# KiCad board pcb.kicad_pcb (continued)
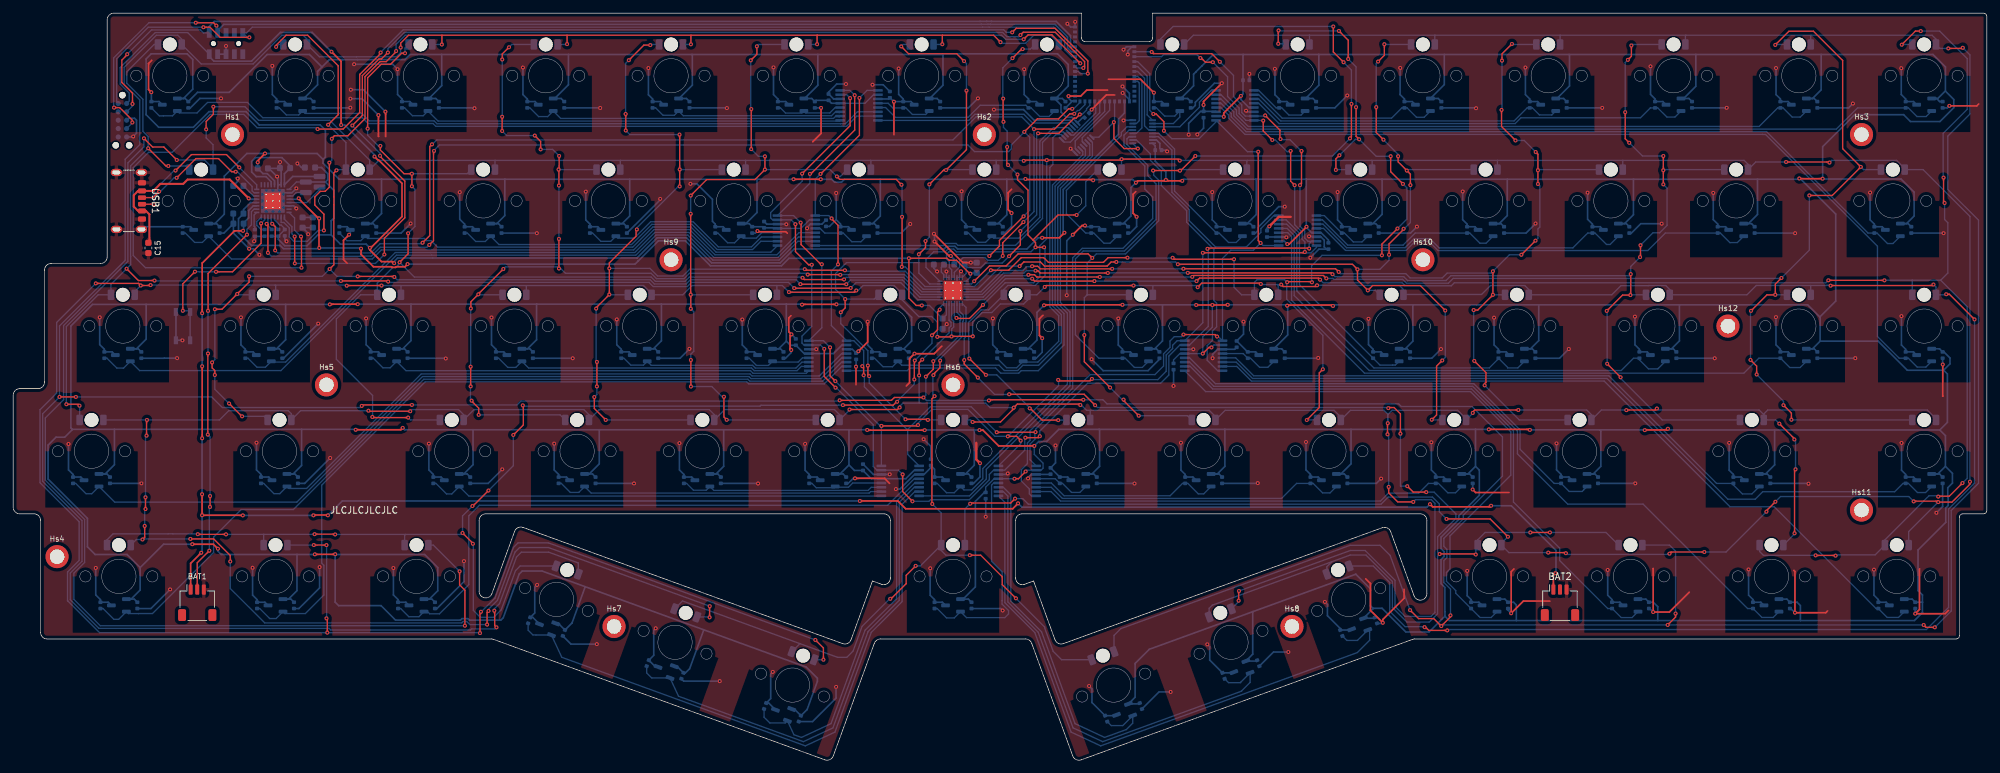
[diagram p0: board, top side]
## Routing (per net, layer and track width the routed paths; a pad name or vN(x,y) marks a point on that pad's centre or on a via; arc(x,y) is an arc through that point) (continued)
/CS0: length 168.8
  Top w0.2: v1(166.32,56.52) 162.41,60.43 v1(162.41,64.49) ; v1(168.36,54.69) 168.42,54.63 168.42,54.48 v1(170.66,52.24) ; v1(202.91,99.58) 202.91,94.56 v1(202.69,94.34) ; v1(172.84,89.46) 176.89,89.46 v1(176.91,89.44) 177.01,89.44 v1(179.24,91.67) ; v1(163.62,76.18) 162.99,76.81 152.38,76.81 150.55,74.98 148.03,74.98 v1(145.71,72.66) ; v1(200.16,111.33) 200.16,107.46 v1(201.72,105.9)
  Bottom w0.2: v1(170.66,52.24) 178.06,52.24 D53.1 ; v1(168.36,54.69) 168.15,54.69 v1(166.32,56.52) ; v1(162.41,64.49) 162.41,70.16 162.84,70.59 ; v1(200.16,111.33) 175.88,111.33 173.95,109.4 D9.1 ; v1(202.69,94.34) 200.02,91.67 v1(179.24,91.67) ; D38.1 162.85,70.6 162.84,70.59 ; v1(145.71,72.66) 145.3,72.25 LEDDR1.2 ; D24.1 177.07,89.6 v1(176.91,89.44) ; 162.84,70.59 162.84,75.41 164.23,76.8 168.65,76.8 173.68,81.83 173.68,88.01 172.93,88.76 172.93,89.37 v1(172.84,89.46) ; v1(201.72,105.9) 202.91,104.71 v1(202.91,99.58)
/CS1: length 163.6
  Top w0.2: v1(185.11,76) 176.02,76 v1(175.8,76.22) ; v1(207.53,76.59) 207.53,78.3 v1(209.9,80.66) ; v1(204.08,94.2) 203.61,94.67 v1(203.61,99.09) ; v1(198.58,59.29) 198.03,58.74 198.03,53.48 v1(196.14,51.59) ; v1(191.86,110.73) 191.81,110.68 v1(191.81,108.7) ; v1(193.16,72.5) 193.26,72.59 196.83,72.59 v1(196.93,72.49) ; v1(202.42,106.39) 202.42,109.25 v1(201.01,110.66) ; v1(208.86,91.63) 208.86,89.29 v1(210.72,87.43) ; v1(201.09,91.78) 200.55,91.24 v1(200.55,89.55) ; v1(168.95,76.23) 166.02,76.23 165.32,75.53 156.96,75.53 156.26,76.23 152.84,76.23 150.94,74.33 v1(148.24,74.33)
  Bottom w0.2: v1(201.09,91.78) 203.51,94.2 v1(204.08,94.2) 206.65,91.63 v1(208.86,91.63) ; v1(200.55,89.55) 200.6,89.6 D25.1 ; D54.1 196.15,51.6 v1(196.14,51.59) ; v1(210.72,87.43) 211.33,86.82 211.33,82.1 v1(209.9,80.66) ; v1(168.95,76.23) 169.01,76.17 175.75,76.17 v1(175.8,76.22) ; LEDDR1.3 145.76,71.85 v1(148.24,74.33) ; v1(198.58,59.29) 198.58,64.44 193.1,69.92 193.1,72.44 v1(193.16,72.5) 192.78,72.89 188.61,72.89 188.2,72.48 D39.1 186.25,70.6 185.11,71.74 v1(185.11,76) ; v1(201.01,110.66) 191.93,110.66 v1(191.86,110.73) ; v1(202.42,106.39) 203.61,105.2 v1(203.61,99.09) ; v1(196.93,72.49) 196.87,72.55 196.87,75 198.46,76.59 v1(207.53,76.59) ; v1(191.81,108.7) 192.85,108.7 D10.1
/CS2: length 157.1
  Top w0.2: v1(215.09,51.63) 215.82,52.36 215.82,59.77 v1(216.68,60.63) ; v1(210.82,80.62) 210.82,80.53 208.61,78.32 v1(208.61,76.67) ; v1(176.59,75.23) 203.06,75.23 v1(203.83,74.46) 203.83,72.84 v1(205.4,71.27) 206.13,72 213.35,72 v1(217.14,68.21) ; v1(209.99,91.64) 209.99,90.78 v1(211.31,89.46) 211.85,88.92 v1(211.85,87.25) ; v1(152.6,74.95) 153.23,75.58 155.75,75.58 156.37,74.96 165.86,74.96 166.48,75.58 v1(167.26,75.58) ; v1(206.95,106) 207.9,106.95 v1(207.9,108.64) ; v1(206.67,99.09) 206.67,95.24 v1(207.77,94.14)
  Bottom w0.2: v1(211.31,89.46) 211.45,89.6 D26.1 ; v1(207.9,108.64) 207.94,108.6 D11.1 ; D40.1 206.53,71.27 v1(205.4,71.27) ; v1(215.09,51.63) 215.12,51.6 D55.1 ; v1(206.95,106) 206.67,105.72 v1(206.67,99.09) ; v1(167.26,75.58) 176.24,75.58 v1(176.59,75.23) ; v1(217.14,68.21) 217.14,61.09 v1(216.68,60.63) ; v1(208.61,76.67) 208.61,75.85 207.22,74.46 v1(203.83,74.46) ; LEDDR1.4 146.25,71.45 149.75,74.95 v1(152.6,74.95) ; v1(209.99,91.64) 209.99,91.92 v1(207.77,94.14) ; v1(211.85,87.25) 211.85,81.56 210.91,80.62 v1(210.82,80.62)
/CS3: length 174.4
  Top w0.2: v1(223.11,56.85) 223.11,57.13 223.31,57.33 223.31,58.78 v1(221.53,60.56) ; v1(231.19,87.42) v1(231.19,89.51) 231.19,91.94 v1(230.85,92.28) ; v1(200.98,74.07) 200.5,74.55 v1(177.43,74.55) ; v1(227.79,94.03) 225.67,96.15 v1(225.67,98.67) ; v1(230.82,78.82) v1(228.68,76.67) ; v1(166.63,74.54) 155.73,74.54 155.34,74.93 v1(154.49,74.93) ; v1(227.25,108.68) 225.74,107.17 v1(225.74,106.14) ; v1(221.44,68.28) 222.06,68.28 v1(224.37,70.59) 224.37,74.16 v1(224.36,74.17)
  Bottom w0.2: v1(221.53,60.56) 221.44,60.65 v1(221.44,68.28) ; v1(154.49,74.93) 154.42,74.86 153.65,74.86 153.09,74.3 150,74.3 146.75,71.05 LEDDR1.5 ; D41.1 224.38,70.6 v1(224.37,70.59) ; v1(225.67,98.67) 225.74,98.74 v1(225.74,106.14) ; D12.1 227.33,108.6 v1(227.25,108.68) ; D27.1 231.28,89.6 v1(231.19,89.51) ; v1(230.82,78.82) 231.19,79.19 231.19,80.59 231.48,80.88 231.48,87.13 v1(231.19,87.42) ; D56.1 228.36,51.6 v1(223.11,56.85) ; v1(228.68,76.67) 226.87,76.67 v1(224.36,74.17) 224.08,73.89 217.42,73.89 216.69,73.16 211.8,73.16 211.16,73.8 201.25,73.8 v1(200.98,74.07) ; v1(227.79,94.03) 229.1,94.03 v1(230.85,92.28) ; v1(177.43,74.55) 177.42,74.54 v1(166.63,74.54)
/CS4: length 201.7
  Top w0.2: v1(241.68,60.13) 243.72,58.09 v1(243.72,58.08) ; v1(246.68,76.32) 246.74,76.38 v1(246.74,78.12) ; v1(155.01,74.26) 155.37,74.26 155.72,73.91 v1(165.98,73.91) ; v1(250.2,87.36) v1(250.2,89.51) v1(250.2,91.67) ; v1(245.36,108.45) 245.36,106.8 v1(244.82,106.26) ; v1(200.04,73.72) 199.83,73.93 v1(178.1,73.93) ; v1(244.42,98.32) 244.42,94.29 v1(245.04,93.67) ; v1(245.26,73.74) 245.26,70.6 v1(245.21,70.55) 244.02,70.55 v1(241.62,68.15)
  Bottom w0.2: v1(200.04,73.72) 200.41,73.35 210.84,73.35 211.43,72.76 217.25,72.76 217.98,73.49 245.01,73.49 v1(245.26,73.74) 245.26,74.9 v1(246.68,76.32) ; v1(250.2,89.51) 250.29,89.6 D28.1 ; v1(244.82,106.26) 244.42,105.86 v1(244.42,98.32) ; v1(245.04,93.67) 247.04,91.67 v1(250.2,91.67) ; D13.1 245.51,108.6 v1(245.36,108.45) ; D42.1 245.26,70.6 v1(245.21,70.55) ; v1(165.98,73.91) 166,73.93 v1(178.1,73.93) ; LEDDR1.6 146.91,70.65 150.16,73.9 153.25,73.9 153.61,74.26 v1(155.01,74.26) ; v1(241.68,60.13) 241.68,68.09 v1(241.62,68.15) ; v1(250.2,87.36) 250.77,86.79 250.77,81.13 249.65,80.01 248.63,80.01 v1(246.74,78.12) ; D57.1 250.04,51.6 243.72,57.92 v1(243.72,58.08)
/CS5: length 232.1
  Top w0.2: v1(268.42,53.84) 269.62,52.64 v1(269.62,51.63) ; v1(178.78,73.32) 178.99,73.53 198.67,73.53 v1(199.11,73.09) ; v1(267.17,108.53) 269.24,110.6 272.97,110.6 277.39,106.18 277.39,92.77 v1(280.15,90.01) 275.82,85.68 v1(272.34,85.68) ; v1(164.76,73.3) 155.2,73.3 154.86,73.64 v1(153.93,73.64) ; v1(263.49,68.16) 265.92,70.59 v1(267.18,70.59) 267.18,72.22 v1(268.11,73.15) ; v1(264.35,58.5) 264.35,59.78 v1(263.42,60.71)
  Bottom w0.2: v1(164.76,73.3) 178.76,73.3 v1(178.78,73.32) ; v1(268.42,53.84) 268.42,54.43 v1(264.35,58.5) ; D29.1 280.56,89.6 v1(280.15,90.01) ; v1(267.18,70.59) 267.19,70.6 D43.1 ; v1(272.34,85.68) 272.34,77.38 v1(268.11,73.15) 268.05,73.09 218.34,73.09 217.61,72.36 211.26,72.36 210.67,72.95 200.24,72.95 200.1,73.09 v1(199.11,73.09) ; LEDDR1.7 147.08,70.25 150.33,73.5 153.79,73.5 v1(153.93,73.64) ; v1(263.42,60.71) 263.42,68.09 v1(263.49,68.16) ; v1(269.62,51.63) 269.65,51.6 D58.1 ; D14.1 267.24,108.6 v1(267.17,108.53)
/CS6: length 272.4
  Top w0.2: v1(292.69,88.39) 292.69,84.69 v1(292.85,84.53) ; v1(295.56,42.02) 293.56,40.02 291.94,40.02 v1(291.88,39.96) ; v1(289.24,110.63) 288.42,110.63 v1(286.35,108.56) ; v1(275.22,72.8) 275.23,72.79 v1(283.73,72.79) ; v1(179.42,72.67) 179.88,73.13 197.92,73.13 v1(198.16,72.89) ; v1(276.32,31) 276.28,31.04 v1(273.29,31.04) ; v1(163.94,72.68) 154.86,72.68 v1(154.5,73.04)
  Bottom w0.2: D44.1 287.95,72.8 287.94,72.81 ; v1(289.24,110.63) 292.1,110.63 296.28,106.45 296.28,98.75 292.63,95.11 292.63,88.45 v1(292.69,88.39) ; LEDDR1.8 147.26,69.85 150.45,73.04 v1(154.5,73.04) ; v1(163.94,72.68) 163.95,72.67 v1(179.42,72.67) ; 292.25,72.81 293.34,73.9 293.34,81.53 292.85,82.02 v1(292.85,84.53) ; 292.25,72.81 296.28,68.78 296.28,42.73 v1(295.56,42.02) ; 292.25,72.81 287.94,72.81 ; v1(283.73,72.79) 283.75,72.81 287.94,72.81 ; v1(198.16,72.89) 198.63,72.42 210.61,72.42 211.07,71.96 218.05,71.96 218.51,72.42 274.84,72.42 v1(275.22,72.8) ; v1(286.35,108.56) 286.39,108.6 D15.1 ; D71.1 264.8,31.63 265.38,31.05 273.28,31.05 v1(273.29,31.04) ; v1(276.32,31) 276.44,31.12 282.32,31.12 D72.1 283.8,33.4 290.49,40.09 291.75,40.09 v1(291.88,39.96)
/CS7: length 193.8
  Top w0.2: v1(208.5,53.39) 208.59,53.48 209.38,53.48 210.34,52.52 v1(210.34,49.51) ; v1(144.2,60.69) 144.2,60.09 v1(146.27,58.02) ; v1(151.01,55.5) 162.38,55.5 v1(164.05,53.83) ; v1(214.25,40.64) 212.28,40.64 v1(211.37,41.55) ; v1(216.28,31.24) 216.3,31.25 221.68,31.25 v1(221.77,31.17) ; v1(230.03,34.52) 233,34.52 v1(233.01,34.52)
  Bottom w0.2: v1(214.25,40.64) 215.45,40.64 218.75,37.34 218.75,36.65 215.98,33.88 215.98,31.54 v1(216.28,31.24) 215.97,30.93 215.97,22.17 214.72,20.92 211.32,20.92 209.12,23.12 209.12,27.08 205.11,31.09 202.72,31.09 199.95,30.08 ; v1(208.5,53.39) 208.41,53.48 164.4,53.48 v1(164.05,53.83) ; 199.95,30.08 199.18,29.31 D68.1 ; 199.95,30.08 181.81,23.48 181.33,23 D67.1 ; v1(230.03,34.52) 223.17,34.52 222.05,33.4 D69.1 221.77,32.32 v1(221.77,31.17) ; v1(144.2,60.69) 144.2,63.99 144.38,64.17 144.38,66.38 144.47,66.48 144.47,68.69 LEDDR1.9 ; v1(233.01,34.52) 241.5,34.52 243.43,32.6 ; v1(210.34,49.51) 210.34,41.58 210.37,41.55 v1(211.37,41.55) ; v1(151.01,55.5) 150.99,55.48 148.81,55.48 v1(146.27,58.02)
/CS8: length 125
  Top w0.2: v1(139.52,58.39) 139.52,58.52 140.51,59.51 140.51,60.56 v1(140.55,60.6) ; v1(139.71,55.21) 139.3,54.8 139.3,38.9 v1(139.36,38.84) ; v1(136.84,29.45) 135.4,28.01 135.4,26.75 133.09,24.44 v1(132.98,24.44) ; v1(145.05,31.07) 146.69,31.07 149.96,27.8 149.96,26.6 v1(152.04,24.52)
  Bottom w0.2: v1(145.05,31.07) 141.43,31.07 140.7,31.8 D65.1 ; LEDDR1.10 143.5,68.08 144.07,67.51 144.07,66.64 143.96,66.53 143.96,64.32 140.55,60.91 v1(140.55,60.6) ; D64.1 118.08,16.43 119.29,17.63 ; v1(152.04,24.52) 156.4,20.16 156.4,20.01 157.69,16.47 158.96,15.19 D66.1 ; 119.29,17.63 125,15.56 126.4,15.56 127.35,16.51 128.71,20.26 132.89,24.44 v1(132.98,24.44) ; 119.29,17.63 101.48,24.12 100.29,22.92 D63.1 ; v1(139.71,55.21) 139.45,55.46 139.45,58.32 v1(139.52,58.39) ; v1(139.36,38.84) 140.7,37.5 D65.1 ; v1(136.84,29.45) 137.55,29.45 D65.1
/CS9: length 187.1
  Top w0.2: v1(72.07,40.89) 69.71,38.53 v1(69.63,38.53) ; v1(48.82,34.22) 48.78,34.26 v1(45.69,34.26) ; v1(32.27,34.23) 28.02,34.23 v1(27.99,34.25) ; v1(125.81,53.85) 133.44,53.85 133.95,54.36 v1(134.03,54.36) ; v1(140.48,68.34) 140.16,68.01 140.16,65.3 v1(139.31,64.45) ; v1(77.26,53.82) 77.35,53.73 77.35,50.84 v1(75.83,49.32) ; v1(68.13,34.44) 69.7,32.87 v1(69.7,32.8) ; v1(136.7,60.63) 136.63,60.56 v1(136.63,57.74)
  Bottom w0.2: 38,34.23 v1(32.27,34.23) ; 38,34.23 37.98,34.2 D60.1 ; 38,34.23 45.66,34.23 v1(45.69,34.26) ; v1(136.7,60.63) 139.31,63.24 v1(139.31,64.45) ; LEDDR1.16 140.48,68.64 v1(140.48,68.34) ; v1(134.03,54.36) 134.03,54.44 136.63,57.04 v1(136.63,57.74) ; v1(27.99,34.25) 27.94,34.31 24.22,34.31 24.21,34.32 23.5,34.32 23.49,34.31 15.13,34.31 14.22,33.4 D59.1 ; v1(72.07,40.89) 75.83,44.65 v1(75.83,49.32) ; D62.1 76.87,29.42 76.17,28.73 74,22.78 72.86,21.64 70.82,21.64 69.77,22.69 69.77,32.73 v1(69.7,32.8) ; D61.1 59.35,34.08 59.49,34.22 ; v1(77.26,53.82) 77.39,53.69 88.39,53.69 88.4,53.7 113.26,53.7 113.39,53.83 125.13,53.83 125.15,53.85 v1(125.81,53.85) ; 59.49,34.22 v1(48.82,34.22) ; 59.49,34.22 67.91,34.22 v1(68.13,34.44) 68.13,37.03 v1(69.63,38.53)
/CS10: length 202.9
  Top w0.2: v1(126.99,71.64) 126.94,71.59 118.44,71.59 v1(118.42,71.61) ; v1(8.06,53.98) 9.84,53.98 v1(10.06,53.76) ; v1(21.43,72.76) 18.99,72.76 v1(17.19,74.55) ; v1(20.47,92.84) 23.16,90.15 v1(23.52,90.15) ; v1(49.69,72.7) 56.75,72.7 v1(56.85,72.6)
  Bottom w0.2: v1(56.85,72.6) 56.97,72.48 96.41,72.48 97.04,71.85 102.21,71.85 102.84,72.48 117.55,72.48 v1(118.42,71.61) ; v1(10.06,53.76) 10.07,53.74 D45.1 ; D1.1 21.37,108.6 17.22,104.45 17.22,102.71 19.67,100.27 19.67,95.41 20.47,94.61 v1(20.47,92.84) 17.8,90.17 17.8,76.39 17.81,76.38 17.81,75.17 v1(17.19,74.55) 14.82,72.19 D30.1 12.88,70.6 8.06,65.77 v1(8.06,53.98) ; LEDDR1.17 137.16,69.85 134.57,72.44 127.79,72.44 v1(126.99,71.64) ; v1(49.69,72.7) 21.49,72.7 v1(21.43,72.76) ; D16.1 26.15,90.15 v1(23.52,90.15)
/CS11: length 188.4
  Top w0.2: v1(34.71,52.15) 34.68,52.15 v1(32.73,54.1) ; v1(57.79,73.3) 57.7,73.39 v1(52.23,73.39) ; v1(49.02,89.5) 48.62,89.1 48.62,85.45 48.63,85.45 48.63,84.24 48.62,84.24 48.62,75.15 v1(47.98,74.51) ; v1(47.75,96.41) 49.28,97.93 49.28,105.37 44.65,110 41.38,110 39.87,108.48 v1(39.87,108.23) ; v1(30.58,68.41) 31.65,68.41 v1(33.96,70.72) 35.77,72.53 v1(35.77,73.4) ; v1(119.36,72.22) 119.38,72.2 v1(126.32,72.2) ; v1(30.57,58.42) 30.57,59.1 30.16,59.5 v1(30.16,60.34)
  Bottom w0.2: v1(52.23,73.39) 49.1,73.39 v1(47.98,74.51) 46.87,73.4 v1(35.77,73.4) ; v1(32.73,54.1) 30.57,56.26 v1(30.57,58.42) ; v1(126.32,72.2) 126.96,72.84 134.84,72.84 137.43,70.25 LEDDR1.18 ; v1(47.75,96.41) 50.45,93.71 D17.1 49.12,89.6 v1(49.02,89.5) ; D31.1 34.08,70.6 v1(33.96,70.72) ; v1(57.79,73.3) 58.21,72.88 96.58,72.88 97.21,72.25 102.05,72.25 102.68,72.88 118.7,72.88 v1(119.36,72.22) ; v1(34.71,52.15) 38.02,52.15 D46.1 ; v1(30.58,68.41) 30.58,60.75 v1(30.16,60.34) ; v1(39.87,108.23) 40.23,108.6 D2.1
/CS12: length 177.6
  Top w0.2: v1(125.98,72.93) 125.96,72.91 119.95,72.91 v1(119.68,73.17) ; v1(54.45,52.05) 54.54,51.96 v1(59.89,51.96) ; v1(53.74,95.82) 53.74,103.54 55.79,105.59 57.22,105.59 58.9,107.27 v1(59.41,107.27) ; v1(59.88,79.94) 59.88,76.82 v1(58.59,75.53) ; v1(60.45,87.07) v1(60.45,88.98) 59.26,88.98 55.67,92.57 v1(55.67,93.2)
  Bottom w0.2: v1(53.74,95.82) 53.74,94.81 55.36,93.2 v1(55.67,93.2) ; LEDDR1.19 137.6,70.65 135.01,73.24 126.29,73.24 v1(125.98,72.93) ; v1(60.45,87.07) 60.91,86.61 60.91,80.97 v1(59.88,79.94) ; D18.1 68.83,88.98 v1(60.45,88.98) ; v1(119.68,73.17) 119.57,73.29 102.52,73.29 101.88,72.65 97.37,72.65 96.73,73.29 60.83,73.29 v1(58.59,75.53) 58.41,75.53 58.41,75.13 58.03,74.75 57.57,74.75 55.2,72.38 D32.1 52.67,70.6 49,66.93 49,60.81 54.49,55.32 54.49,52.09 v1(54.45,52.05) ; D3.1 59.41,108.06 v1(59.41,107.27) ; D47.1 60.25,51.6 v1(59.89,51.96)
/CS13: length 161.4
  Top w0.2: v1(69.36,59.69) v1(69.36,56.69) ; v1(74.14,95.46) v1(74.14,97.63) ; v1(82.78,91.68) 82.78,89.68 82.72,89.62 v1(82.69,89.62) 82.75,89.56 v1(82.75,87.18) ; v1(120.47,73.67) 120.48,73.66 125.37,73.66 v1(125.41,73.62) ; v1(82.75,79.08) v1(82.75,74.58) ; v1(74.15,106.32) 74.15,107.15 v1(75.18,108.18) ; v1(70.58,52.37) 70.58,53.39 69.5,54.46 v1(69.5,54.53) ; v1(69.39,68.52) 69.39,69.53 v1(70.53,70.67) 70.53,70.72 v1(74.32,74.51) ; v1(79.97,92.67) 79.97,93.88 v1(79.08,94.77)
  Bottom w0.2: v1(69.5,54.53) 69.33,54.7 69.33,56.66 v1(69.36,56.69) ; v1(79.97,92.67) 81.79,92.67 v1(82.78,91.68) ; LEDDR1.20 137.78,71.05 135.17,73.66 125.45,73.66 v1(125.41,73.62) ; v1(70.53,70.67) 70.6,70.6 D33.1 ; v1(82.75,79.08) v1(82.75,87.18) ; v1(75.18,108.18) 75.6,108.6 D4.1 ; v1(79.08,94.77) 74.83,94.77 v1(74.14,95.46) ; v1(74.14,97.63) 74.15,97.64 v1(74.15,106.32) ; D19.1 82.71,89.6 v1(82.69,89.62) ; v1(74.32,74.51) 74.64,74.83 82.5,74.83 v1(82.75,74.58) 83.02,74.58 83.73,73.86 96.72,73.86 97.54,73.05 101.72,73.05 102.53,73.86 120.27,73.86 v1(120.47,73.67) ; D48.1 82.93,52.37 v1(70.58,52.37) ; v1(69.39,68.52) 69.36,68.49 v1(69.36,59.69)
/CS14: length 148.6
  Top w0.2: v1(120.02,74.49) 120.19,74.32 v1(126.11,74.32) ; v1(88.11,55.07) 88.11,53.34 v1(89.85,51.6) ; v1(88.5,56.68) 88.5,60.4 v1(88.51,60.41) ; v1(92.88,95.54) 92.88,98.03 v1(92.86,98.05) ; v1(96.6,108.5) 95.63,108.5 v1(93.34,106.21) ; v1(101.03,94.92) 101.06,94.89 v1(101.06,89.63) v1(101.06,87.05) ; 88.47,68.71 v1(90.39,70.63) 90.39,75.44 94.44,79.49 94.44,80.39 v1(94.56,80.51)
  Bottom w0.2: v1(101.06,89.63) 101.09,89.6 D20.1 ; v1(92.86,98.05) 92.86,105.73 v1(93.34,106.21) ; v1(126.11,74.32) 126.25,74.18 135.24,74.18 137.97,71.45 LEDDR1.21 ; D34.1 90.42,70.6 v1(90.39,70.63) ; D5.1 96.7,108.6 v1(96.6,108.5) ; v1(101.06,87.05) 100.85,87.05 94.56,80.76 v1(94.56,80.51) ; v1(120.02,74.49) 102.59,74.49 101.55,73.45 97.7,73.45 96.54,74.61 v1(90.39,74.61) ; v1(88.5,56.68) 88.5,55.46 v1(88.11,55.07) ; v1(88.39,68.49) 88.39,60.53 v1(88.51,60.41) ; v1(92.88,95.54) 93.5,94.92 v1(101.03,94.92) ; D49.1 v1(89.85,51.6)
/CS15: length 142.8
  Top w0.2: v1(113.98,91.62) v1(113.98,89.6) 112.47,88.09 105.15,88.09 v1(102.72,85.66) ; v1(111.91,98.8) 111.91,92.72 v1(111.9,92.71) ; v1(124.89,88.56) 125.32,88.13 133.86,88.13 v1(134.69,87.3) ; v1(102.75,60.7) 102.75,56.68 v1(102.76,56.67) ; v1(102.72,82.9) v1(102.72,70.61) 102.74,70.6 v1(102.74,68.48) ; v1(112.76,108.32) 112.76,107.12 v1(111.83,106.19) ; v1(108.19,51.62) 107.77,52.04 v1(107.77,55.12) ; v1(134.78,82.42) 134.78,74.87 v1(134.73,74.83)
  Bottom w0.2: D35.1 102.74,70.6 v1(102.72,70.61) ; v1(102.75,60.7) 102.74,60.71 102.74,61.57 103.19,62.02 103.19,68.03 v1(102.74,68.48) ; LEDDR1.22 138.25,71.85 135.27,74.83 v1(134.73,74.83) ; v1(107.77,55.12) 107.65,55 107.6,55 105.93,56.67 v1(102.76,56.67) ; D50.1 108.21,51.6 v1(108.19,51.62) ; v1(134.78,82.42) 134.78,87.21 v1(134.69,87.3) ; v1(111.9,92.71) 112.99,91.62 v1(113.98,91.62) ; v1(102.72,85.66) v1(102.72,82.9) ; v1(113.98,89.6) 123.85,89.6 v1(124.89,88.56) 125.41,88.56 D21.1 ; D6.1 113.04,108.6 v1(112.76,108.32) ; v1(111.83,106.19) 111.83,98.88 v1(111.91,98.8)
/CS16: length 106.5
  Top w0.2: v1(137.32,76.75) 138.33,77.76 v1(138.33,78.76) ; v1(144.54,101.6) 144.54,92.63 v1(141.44,89.53) 141.08,89.53 v1(138.91,87.36) ; v1(144.18,106.07) 143.05,107.19 135.75,107.19 v1(134.64,108.31) ; v1(126.15,69.95) 126.15,68.61 v1(125.48,67.94) ; v1(129.59,59.85) 129.59,58.45 v1(129.79,58.25) ; v1(138.7,51.6) 138.6,51.7 v1(135.29,51.7)
  Bottom w0.2: 137.32,75.47 v1(137.32,76.75) ; 137.32,75.47 137.31,75.48 126.35,75.48 124.69,73.82 124.69,71.41 v1(126.15,69.95) 130.55,69.95 D36.1 ; 137.32,75.47 137.32,73.88 138.95,72.25 LEDDR1.23 ; v1(141.44,89.53) 141.51,89.6 D22.1 ; v1(129.59,59.85) 129.59,62.11 125.48,66.22 v1(125.48,67.94) ; v1(138.33,78.76) 138.91,79.34 v1(138.91,87.36) ; v1(129.79,58.25) 129.79,57.2 v1(135.29,51.7) ; D7.1 134.93,108.6 v1(134.64,108.31) ; v1(144.54,101.6) 144.54,105.71 v1(144.18,106.07) ; D51.1 v1(138.7,51.6)
/CS17: length 118.9
  Top w0.2: v1(161.24,82.71) 158.42,82.71 154.63,78.92 ; v1(150.71,93.04) 150.66,92.99 150.66,90.48 v1(150.85,90.29) ; v1(147.49,58.44) 147.45,58.44 v1(144.97,60.92) ; v1(150.15,96.86) 150.09,96.92 150.09,100.36 v1(150.11,100.38) ; v1(153.06,107.9) 152.9,107.9 v1(151.52,106.52) ; v1(156.31,77.81) 155.02,77.81 v1(155.01,77.82) 155.01,78.54 154.63,78.92 ; 154.63,78.92 153.87,79.68 153.87,86.48 152.28,88.07 v1(152.28,88.86) ; v1(158.45,51.57) 156.01,51.57 154.22,53.36 v1(154.13,53.36)
  Bottom w0.2: v1(150.71,93.04) 150.71,95.45 150.15,96.01 v1(150.15,96.86) ; D23.1 162.63,87.77 162.63,84.09 v1(161.24,82.71) ; v1(150.11,100.38) 150.05,100.44 150.05,105.05 v1(151.52,106.52) ; v1(144.97,60.92) 144.87,61.02 144.87,66.41 146.76,68.3 147.9,68.3 D37.1 150.2,71.4 150.82,72.02 154.98,72.02 156.45,73.49 156.45,77.67 v1(156.31,77.81) ; v1(155.01,77.82) 154.31,77.12 143.02,77.12 142.6,77.54 141.74,77.54 141.32,77.12 139.57,77.12 138.4,75.95 138.4,74.76 LEDDR1.24 ; v1(153.06,107.9) 154.25,107.9 D8.1 ; v1(154.13,53.36) 154.13,53.45 149.14,58.44 v1(147.49,58.44) ; v1(158.45,51.57) 159.67,51.57 D52.1 ; v1(150.85,90.29) v1(152.28,88.86)
/GPIO_X: length 153.5
  Top w0.2: v1(48.31,94.28) 48.31,94.34 48.71,94.74 50.75,94.74 53.34,97.33 53.34,103.7 55.62,105.99 56.55,105.99 58.06,107.5 v1(58.06,107.6) ; v1(161.8,105.74) 157.48,110.06 153.89,110.06 v1(153.22,109.38) ; v1(47.11,80.37) 47.11,82.84 45.72,84.22 45.72,85.45 46.57,86.3 47.3,86.3 47.94,86.94 47.94,90.54
  Bottom w0.2: M1.8 161.54,106 v1(161.8,105.74) ; PMIC1.10 40.62,81.58 41.04,81.58 41.86,80.75 41.86,79.39 42.54,78.71 44.59,78.71 46.25,80.37 v1(47.11,80.37) ; v1(153.22,109.38) 150.5,109.38 150.5,109.38 149.88,110 59.44,110 58.06,108.62 v1(58.06,107.6) ; v1(47.94,90.66) 48.31,91.03 v1(48.31,94.28)
/INT: length 214
  Top w0.2: v1(43.64,79.44) 43.71,79.36 v1(43.71,74.71) ; v1(46.15,95.76) 50.03,95.76 52.54,98.27 52.54,104.05 55.71,107.22 v1(55.71,107.37) ; v1(151.47,110.44) 152.08,111.05 158,111.05 162.94,106.11 v1(162.94,104.18)
  Bottom w0.2: M1.10 161.5,104.5 161.82,104.18 v1(162.94,104.18) ; v1(43.64,79.44) 42.66,80.41 42.66,82.26 PMIC1.8 ; v1(43.71,74.71) 20.05,74.71 18.2,76.56 18.2,89.9 20.54,92.23 24.12,92.23 29.87,97.98 34.96,97.98 36.98,95.96 45.95,95.96 v1(46.15,95.76) ; v1(151.47,110.44) 150.57,110.44 150.19,110.82 59.13,110.82 55.71,107.4 v1(55.71,107.37)
/LED_DR_EN: length 40.8
  Top w0.2: v1(152.71,80.27) 152.71,78.17 v1(151,76.46) ; v1(155.4,95.11) 158.54,95.11 160.85,97.42 161.17,97.42 v1(161.73,97.98)
  Bottom w0.2: v1(152.71,80.27) 155.18,82.74 155.18,94.89 v1(155.4,95.11) ; LEDDR1.32 144.49,73.83 144.49,74.97 C29.1 144.74,74.72 146.71,74.72 147.39,75.41 149.95,75.41 v1(151,76.46) ; M1.19 163.25,99.35 162.75,98.85 162.75,98.65 162.08,97.98 v1(161.73,97.98)
/LOADSW_CTRL: length 171.6
  Top w0.2: v1(56.28,76.72) 56.28,79.18 59.38,82.28 59.38,87.86 55.62,91.62 v1(55.62,91.7) ; v1(42.7,75.36) 42.68,75.38 v1(42.68,79.44) ; v1(162.26,105.02) 162.45,105.21 162.45,106 158,110.46 153.15,110.46 v1(152.72,110.03) ; v1(56.82,107.37) 55.83,106.39 55.46,106.39 52.94,103.87 52.94,97.81 v1(51.42,96.3)
  Bottom w0.2: PMIC1.9 41.12,82.05 42.26,80.92 42.26,79.86 v1(42.68,79.44) ; v1(162.26,105.02) 161.23,105.02 M1.9 ; v1(51.42,96.3) 51.42,96.27 55.62,92.08 v1(55.62,91.7) ; 42.67,75.39 v1(42.7,75.36) 54.92,75.36 v1(56.28,76.72) ; v1(152.72,110.03) 152.47,109.78 150.66,109.78 150.02,110.42 59.3,110.42 56.82,107.94 v1(56.82,107.37)
/MUX_B_1: length 30.8
  Bottom w0.2: MUXA1.14 159.99,96.67 154.57,96.67 153.24,98 145.81,98 144.89,97.07 MUXB1.8
/MUX_B_2: length 52.4
  Bottom w0.2: MUXA1.11 159.22,95.32 157.66,95.32 156.07,93.73 156.07,82.19 151.99,78.11 143.24,78.11 142.96,78.39 141.38,78.39 141.07,78.07 MUXB2.8
/MUX_B_3: length 68
  Bottom w0.2: MUXB3.8 135.55,59.07 135.96,59.48 148.96,59.48 149.74,58.7 152.46,58.7 152.84,59.07 155.43,59.07 159.33,62.97 159.33,67.75 157.98,69.1 157.98,87.09 162.58,91.68 162.58,92.67 MUXA1.5
/MUX_B_4: length 70.8
  Bottom w0.2: MUXA1.2 163.64,93.73 163.64,91.61 158.78,86.75 158.78,69.44 160.24,67.98 160.24,56.79 147.55,44.1 147.55,42.62 145,40.07 MUXB4.8
/MUX_B_5: length 12.4
  Bottom w0.2: MUXB5.8 181.65,101.62 179.86,99.83 179.86,99.07 176.89,96.1 MUXA2.11
/MUX_B_6: length 33.1
  Bottom w0.2: MUXB6.8 191.15,82.62 189.19,80.66 189.19,80.08 186.97,77.87 182.3,77.87 178.32,81.85 178.32,83.52 175.69,86.16 175.69,92.55 173.65,94.6 MUXA2.14
/MUX_B_7: length 42.6
  Bottom w0.2: MUXA2.2 170.31,94.1 172.43,91.98 172.43,91 174.08,89.35 174.08,87.2 177.92,83.36 177.92,81.61 182.05,77.49 182.05,69.73 182.47,69.31 182.47,65.73 181.84,65.1 181.84,63.67 181.04,62.87 181.04,60.66 182.63,59.07 MUXB7.8
/MUX_B_8: length 71.4
  Bottom w0.2: MUXA2.5 169.19,95.6 168.42,94.82 168.42,93.3 171.58,90.14 171.58,86.64 172.78,85.45 172.78,82.16 168.26,77.65 162.09,77.65 160.64,76.19 160.64,56.41 154.18,49.95 154.18,48.49 153.78,48.09 153.78,44.96 152.86,44.04 152.86,42.33 154.07,41.11 154.07,40.37 154.38,40.07 MUXB8.8
/MUXA_SEL: length 15.4
  Top w0.2: v1(166.89,96.81) 166.89,94.35 168.45,92.79 v1(170.53,92.79)
  Bottom w0.2: M1.24 167,96.92 v1(166.89,96.81) 164.61,94.52 MUXA1.1 ; v1(170.53,92.79) 169.75,93.57 MUXA2.1
/MUXB_SEL_0: length 203.6
  Top w0.2: v1(189.14,78.46) 188.78,78.82 v1(188.78,92.32) ; v1(128.95,58.38) 128.95,58.38 128.95,59.55 v1(128.75,59.75) ; v1(182.54,64.26) 182.24,64.56 v1(177.44,64.56) ; v1(128.31,100.48) 128.31,94.81 122.44,88.95 v1(122.41,88.95) ; v1(124.09,82.19) 124.09,82.12 125.06,81.15 v1(125.06,75.21) ; v1(149.13,49.73) 154.98,49.73 v1(155.01,49.76) ; v1(174.48,95.49) 174.48,96.87 173.3,98.05 v1(172.88,98.05)
  Bottom w0.2: MUXB1.1 129.45,101.62 v1(128.31,100.48) ; v1(177.44,64.56) 177.12,64.24 176.06,64.24 175.4,63.58 175.4,62.6 174.43,61.63 174.43,59.79 173.11,58.48 163.3,58.48 155.01,50.19 v1(155.01,49.76) 154.91,49.66 154.91,48.66 154.18,47.92 154.18,45.55 MUXB8.1 ; v1(128.95,58.38) 129.06,58.27 129.06,56.63 134.64,51.05 135.63,50.06 ; 135.63,50.06 135.63,50.16 139.07,53.6 145.26,53.6 v1(149.13,49.73) ; 135.63,50.06 135.63,46.36 MUXB4.1 ; v1(188.78,92.32) 187.14,92.32 MUXB5.1 182.39,96.86 179.81,94.29 175.68,94.29 v1(174.48,95.49) ; v1(124.09,82.19) 123.66,82.62 MUXB2.1 121.61,88.15 v1(122.41,88.95) ; v1(125.06,75.21) 124.06,74.2 124.06,65.92 MUXB3.1 127.46,63.62 128.95,62.13 128.95,59.96 v1(128.75,59.75) ; MUXB6.1 189.53,78.07 v1(189.14,78.46) 188.05,77.37 184.62,77.37 183.36,76.11 MUXB7.1 182.73,64.26 v1(182.54,64.26) ; v1(172.88,98.05) 172.34,98.59 172.34,104.15 170.5,106 M1.36
/MUXB_SEL_1: length 221.7
  Top w0.2: v1(189.54,97.04) 189.54,95.47 v1(190.91,94.1) ; v1(122.61,75.23) 122.45,75.23 119.47,78.21 119.47,81.47 v1(119.39,81.55) ; v1(124.66,57.49) 123.86,58.29 v1(123.86,62.62) ; v1(180,106.54) 180.13,106.54 180.77,105.91 v1(181.9,105.91) ; v1(137.19,50.82) 137.19,50.8 137.08,50.69 v1(131.64,50.69) ; v1(180.38,76.97) 195.73,76.97 v1(195.85,77.09) ; v1(158.44,57.68) 158.59,57.53 163.26,57.53 v1(163.56,57.83) ; v1(120.8,88.95) 120.94,88.95 127.59,95.6 v1(127.59,100.9) ; v1(152.76,48.45) 152.76,48.5 152.15,49.11 v1(150.81,49.11) ; v1(193.69,92.44) 193.69,87.85 v1(194.3,87.24)
  Bottom w0.2: M1.37 174.12,106.75 174.42,107.05 179.5,107.05 v1(180,106.54) ; v1(119.39,81.55) 118.32,82.62 MUXB2.16 120.8,87.53 v1(120.8,88.95) ; v1(189.54,97.04) 189.5,97.07 MUXB5.16 186.91,97.07 185.88,98.1 185.88,98.96 184.13,100.71 184.13,103.68 v1(181.9,105.91) ; v1(193.69,92.44) 193.57,92.32 193.16,92.32 191.38,94.1 v1(190.91,94.1) ; MUXB1.16 126.86,101.62 v1(127.59,100.9) ; v1(180.38,76.97) 180.38,66.36 MUXB7.16 176.49,63.62 175.8,62.94 175.8,62.44 174.82,61.46 174.82,58.99 173.55,57.72 163.67,57.72 v1(163.56,57.83) ; MUXB4.16 v1(131.64,50.69) 131.64,50.63 131.58,50.57 131.57,50.57 v1(124.66,57.49) ; v1(194.3,87.24) 194.3,81.24 195.43,80.11 195.43,79.04 195.85,78.62 v1(195.85,77.09) 195.98,76.96 196.78,76.96 197.61,77.79 MUXB6.16 ; v1(152.76,48.45) 152.76,47.99 MUXB8.16 ; v1(123.86,62.62) 122.86,63.62 MUXB3.16 122.61,65.59 v1(122.61,75.23) ; v1(158.44,57.68) 158.51,57.61 158.51,56.81 v1(150.81,49.11) 148.85,49.11 144.76,53.2 139.28,53.2 137.19,51.11 v1(137.19,50.82)
